# Altium PCB PCB_排针版本.PcbDoc
Units mil, origin at the board's own origin, x right, y up, seen from the top; angles counter-clockwise.
Board outline 984.25 x 1181.1 mil, 2 copper layers (Top Layer, Bottom Layer); 34 components, 17 nets, 99 pads, 55 vias.
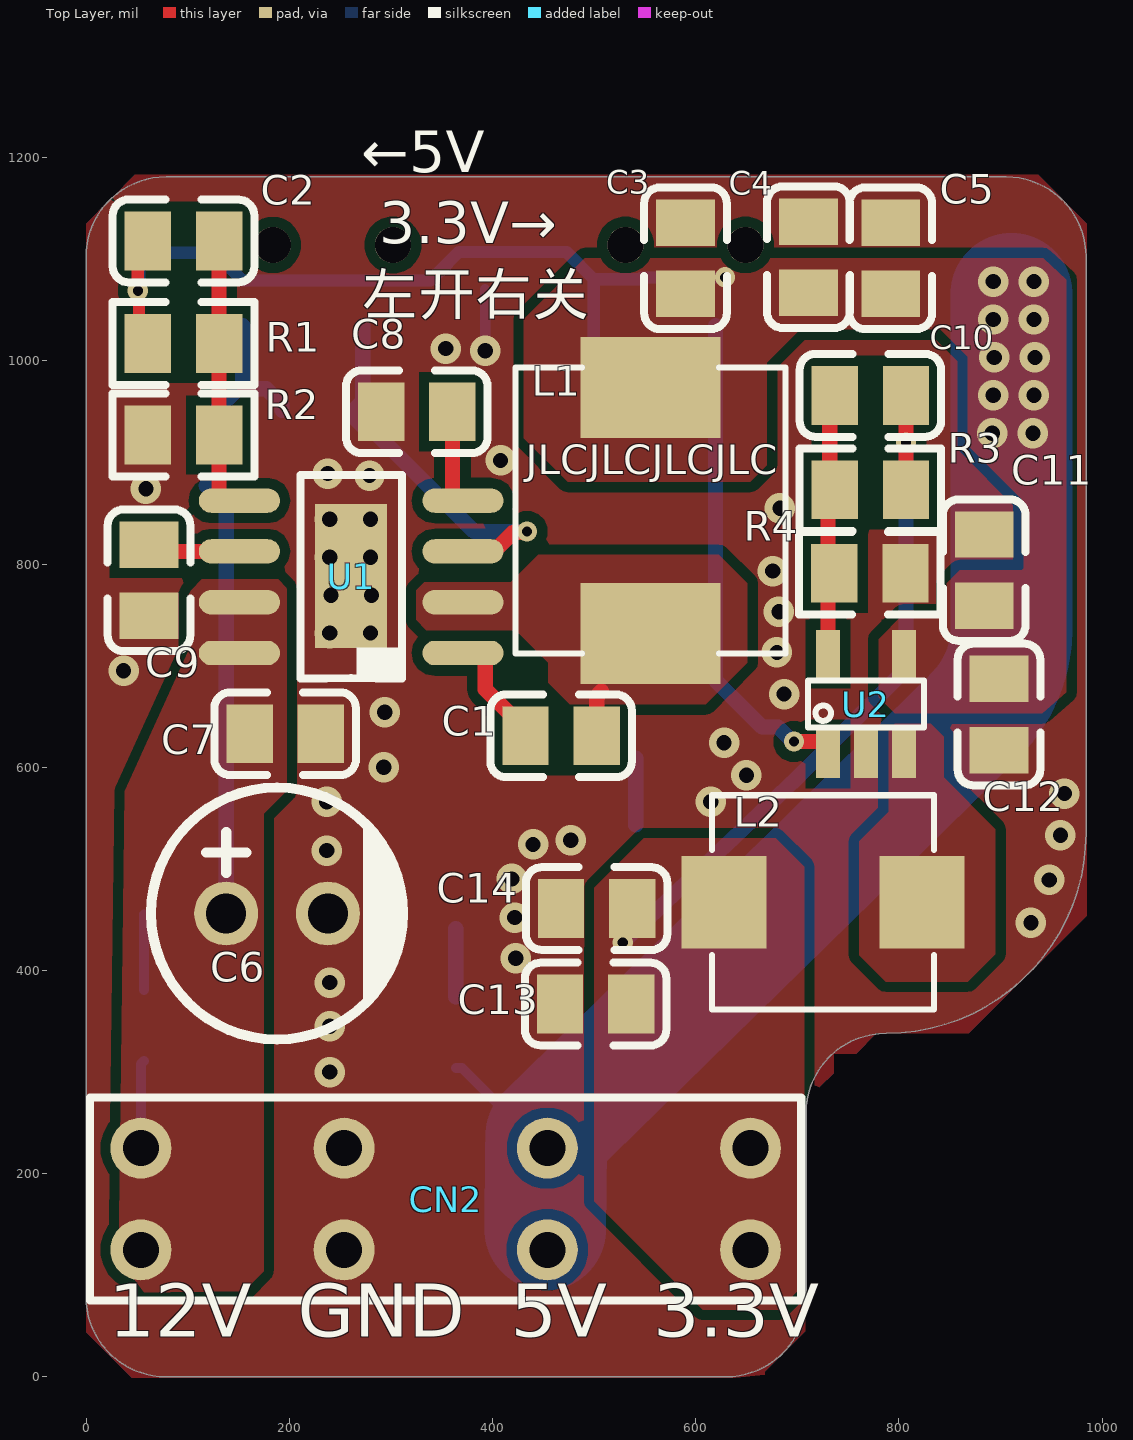
[diagram p0: Top Layer view]
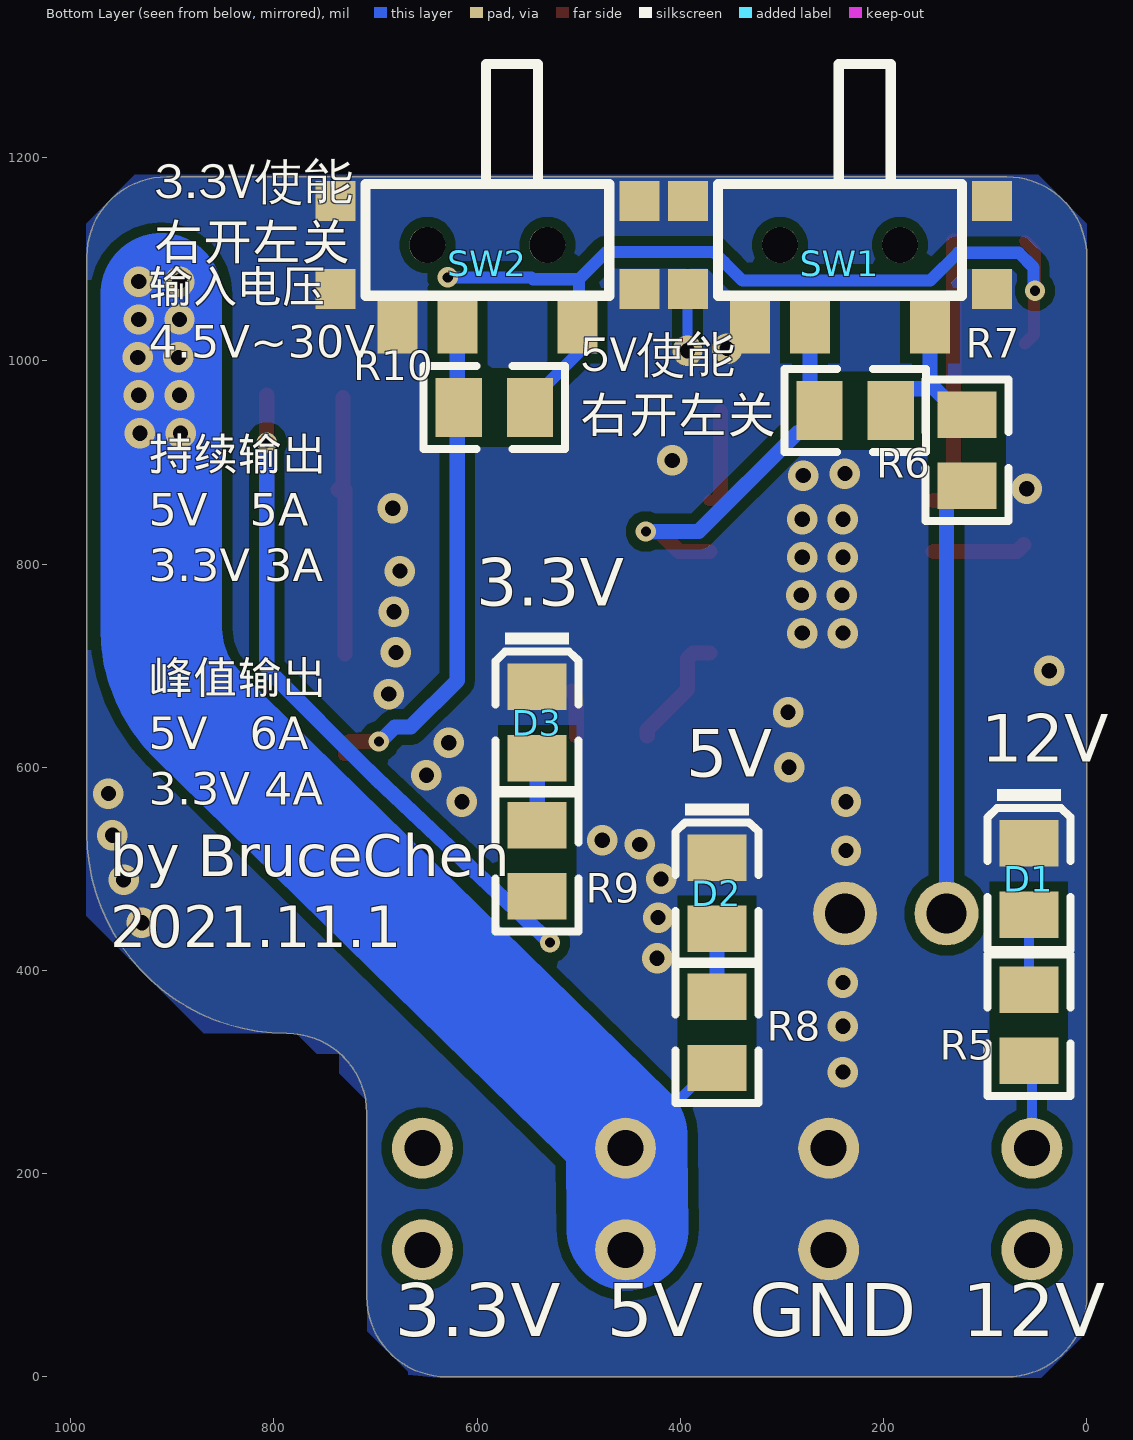
[diagram p1: Bottom Layer view, seen from below]
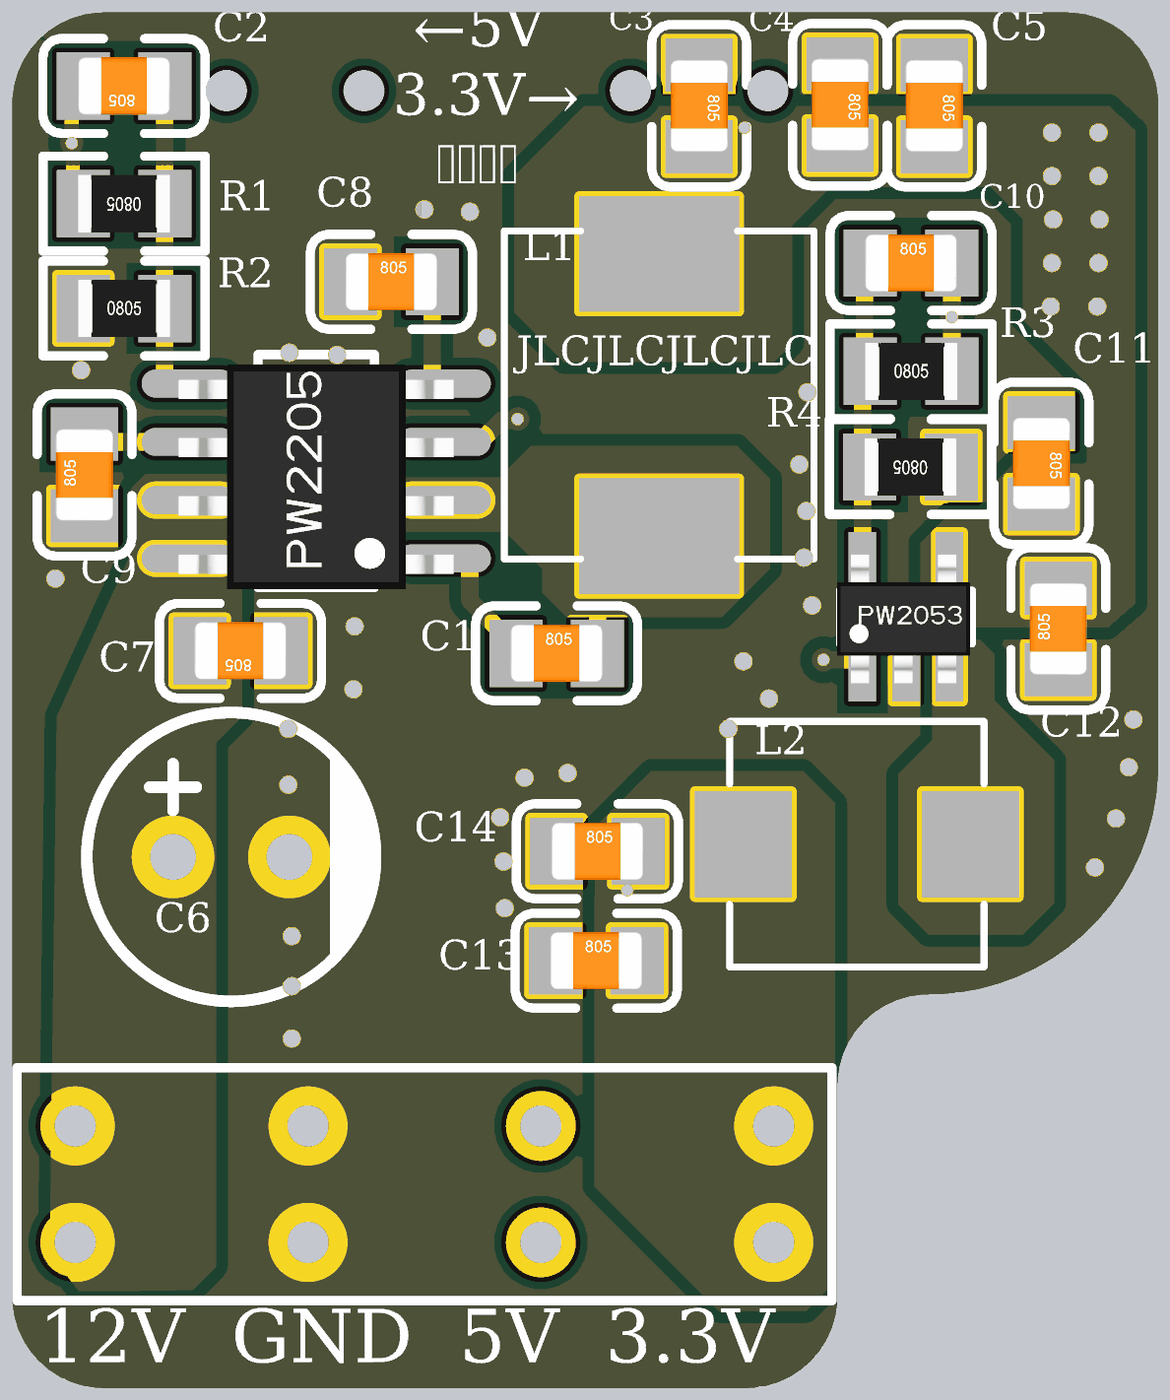
[diagram p2: 3D render of the assembled board from above, using the file's embedded part models]
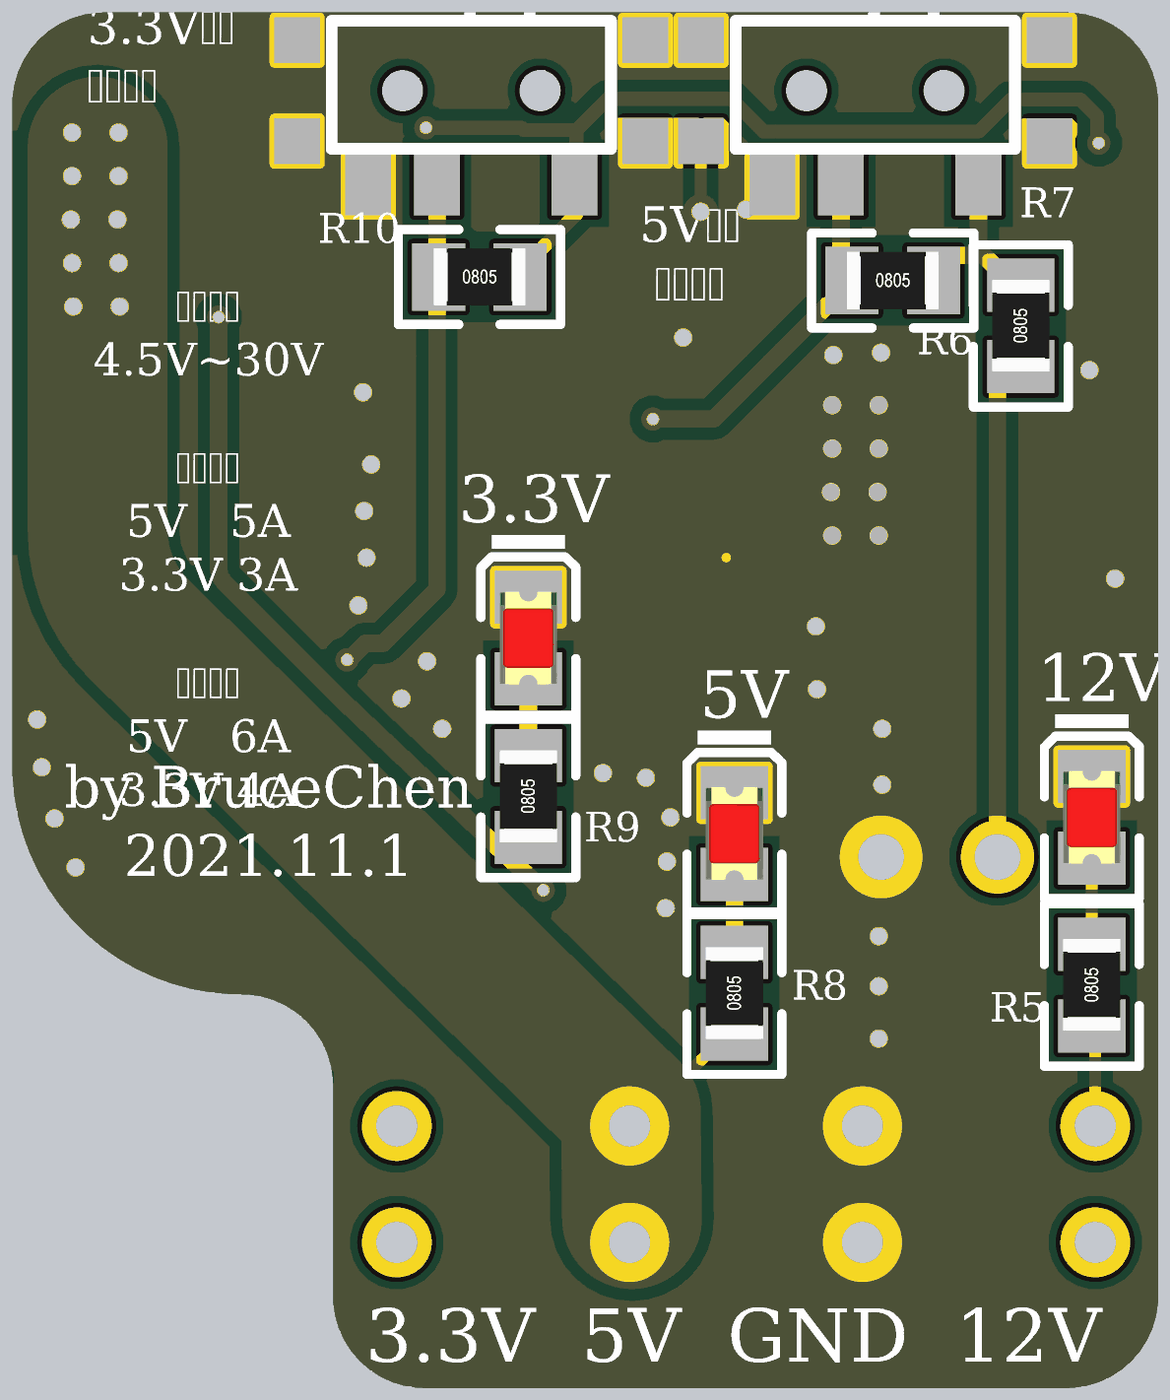
[diagram p3: 3D render of the assembled board from below, using the file's embedded part models]

## Layer stack, top to bottom
Top Solder: solder mask 0.4, Solder Resist, Dk 3.5
Top Layer: signal copper 1.4
Dielectric 1: dielectric 12.6, FR-4, Dk 4.8
Bottom Layer: signal copper 1.4
Bottom Solder: solder mask 0.4, Solder Resist, Dk 3.5

## Board outline
0,78.74 ccw(c78.74,78.74) 78.74,0 629.92,0 ccw(c629.92,78.74) 708.66,78.74 708.66,259.28 cw(c787.4,259.28) 787.4,338.02 787.4,338.03 ccw(c787.4,534.88) 984.25,534.88 984.25,1102.36 ccw(c905.51,1102.36) 905.51,1181.1 78.74,1181.1 ccw(c78.74,1102.36) 0,1102.36

## Design rules (kind name [scope] priority, off if disabled: settings)
Clearance [All] p1: gap=10 ignorepadtopadclearanceinfootprint=FALSE except(0: Arc-Hole Track-Hole SMDPad-Hole THPad-Hole Via-Hole Fill-Hole Poly-Hole Region-Hole Text-Hole)
HoleSize [All] p1: absolutevalues=TRUE maxlimit=99999 minlimit=10 maxpercent=80.000 minpercent=20.000
PlaneConnect [All] p1: planeconnectstyle=Direct reliefexpansion=20 reliefentries=4 reliefconductorwidth=10 reliefairgap=10
PolygonConnect [All] p1: connectstyle=Direct reliefconductorwidth=10 reliefentries=4 polygonreliefangle="90 Angle" airgapwidth=10
RoutingVias [All] p1: holewidth=28 width=50 viastyle="Through Hole" minholewidth=10 minwidth=15 maxholewidth=99999 maxwidth=99999
SolderMaskExpansion [All] p1: expansion=4 istentingtop=FALSE
Width [All] p1: maxlimit=99999 minlimit=6 preferedwidth=10
28 further rules are at their usual default settings.

## Components (designator, comment, footprint, x,y, rotation, side; value= is the part's Value field where it differs from the comment)
C1 "100nF 16V" 0805_C 467.55,630.87 r0 top
C2 "68pF 16V" 0805_C 95.92,1118 r180 top
C3 "22uF 50V" 0805_C 590,1100.96 r270 top
C4 "22uF 50V" 0805_C 711,1101.96 r270 top
C5 "100nF 5% 16V" 0805_C 792,1100.96 r270 top
C6 "100uF" "电容 6.3*8" 188,456 r0 top
C7 "1uF 50V" 0805_C 196,633 r180 top
C8 "10nF 16V" 0805_C 325.55,949.87 r0 top
C9 "1uF 16V" 0805_C 62,783.96 r90 top
C10 "22pF 10V" 0805_C 772,966 r0 top
C11 "22uF 10V" 0805_C 884,793.96 r270 top
C12 "0.1uF 10V" 0805_C 898.55,651.83 r90 top
C13 "22uF 10V" 0805_C 501.55,366.87 r0 top
C14 "22uF 10V" 0805_C 502.55,460.87 r0 top
CN2 "2.54排针" 2.54排针 54,225 r0 top
D1 "红灯 0805" 0805_LED_S1 57,489.96 r270 bottom
D2 "红灯 0805" 0805_LED_S1 364,476.04 r270 bottom
D3 "红灯 0805" 0805_LED_S1 541,643.96 r270 bottom
L1 "6.8uH" "电感 0650" 555.55,852.69 r270 top
L2 "6.8uH" "电感 0520" 725.44,467 r0 top
R1 "110KΩ ±1%" 0805_R 95.96,1017 r180 top
R2 "15KΩ ±1%" 0805_R 95.96,927 r0 top
R3 "45KΩ 1%" 0805_R 772.04,873 r0 top
R4 "10KΩ 1%" 0805_R 771.51,790.87 r180 top
R5 "20KΩ" 0805_R 57,345.96 r90 bottom
R6 "0Ω" 0805_R 228,951 r180 bottom
R7 "100KΩ" 0805_R 118,912 r90 bottom
R8 "10KΩ" 0805_R 364,338.96 r90 bottom
R9 "10KΩ" 0805_R 541,507.96 r90 bottom
R10 "0Ω" 0805_R 583.04,954 r180 bottom
SW1 "SK-3296S-01-L1" 拨动开关(侧) 242.94,1095.93 r0 bottom
SW2 "SK-3296S-01-L1" 拨动开关(侧) 590,1095.93 r0 bottom
U1 "PW2205" "PW2205 - SOP8" 376.02,707.41 r180 top
U2 "PW2053" "PW2053 - SOT23-6" 730.6,613.21 r90 top

## Footprints (in the part's own frame and the unit in brackets; to place one, negate y for a bottom-side part, rotate by r counter-clockwise, add the part's x,y. Pads: shape width x height; smd on the part's side, far side on the other; paste and mask are expansions set on the pad)
2.54排针 [mil]
  round 60 hole 35.43: 1(0,-100) 1(0,0) 2(200,0) 2(200,-100) 3(400,-100) 3(400,0) 4(600,-100) 4(600,0)
  silkscreen extent -50,-150 650,50
0805_C [mm]
  rect 1.16x1.47 smd: 1(-0.89,0) 2(0.89,0)
  silkscreen extent -1.77,-1.04 1.77,1.04, body extent -1,-0.62 1,0.63, height 0.77
0805_LED_S1 [mm]
  rect 1.16x1.47 smd: A(0.89,0) K(-0.89,0)
  silkscreen extent -2.25,-1.04 1.77,1.03, body extent -1.01,-0.63 1.01,0.62, height 1.1
0805_R [mm]
  rect 1.16x1.47 smd: 1(-0.89,0) 2(0.89,0)
  silkscreen extent -1.77,-1.04 1.77,1.03, body extent -1,-0.62 1,0.63, height 0.49
"PW2053 - SOT23-6" [mm]
  rect 1.2x0.6 smd: CE(-0.005,0.01) FB(2.495,0.01) GND(-0.005,-0.94) LX(-0.005,-1.89) VIN(2.495,-1.89)
  silkscreen extent 0.65,-2.39 1.83,0.51, body extent -0.2,-2.34 2.6,0.56, height 1.47
"PW2205 - SOP8" [mil]
  round 0 all layers, no hole: $$$1(5.02,-5.59)
  oval 80x24 smd: BS(5,-5) EN(5,-105) FB(225,-155) SS(5,-155) SVIN(225,-55) SW(5,-55) VCC(225,-105) VIN(225,-5)
  rect 70.87x141.73 smd: GND(115.02,-80.59)
  silkscreen extent 65,-180 165,20, body extent -3,-171 233,21, height 70
拨动开关(侧) [mm]
  rect 1x1 smd: 0(-3.8,-1.559) 0(-3.8,0.641) 0(3.8,-1.559) 0(3.8,0.641)
  rect 1x1.4 smd: 1(-2.25,1.559) 2(0.75,1.559) 3(2.25,1.559)
  round 0.9 hole 0.9 unplated: ""(-1.5,-0.459) ""(1.5,-0.459)
  silkscreen extent -3.05,-4.98 3.05,0.81
"电容 6.3*8" [mm]
  round 1.6 hole 1: 1(-1.27,0) 2(1.27,0)
  silkscreen extent -3.15,-3.15 3.17,3.15
"电感 0520" [mm]
  rect 2.124x2.32 smd: 1(2.478,0) 2(-2.478,0)
  silkscreen extent -2.78,-2.68 2.78,2.68
"电感 0650" [mm]
  rect 2.524x3.5 smd: 1(3.078,0) 2(-3.078,0)
  silkscreen extent -3.58,-3.38 3.58,3.38

## Part data
C1 C5: library part "0805 100nF(104) 10% 50V", "贴片电容", Package=0805, SuppliersPartNumber=C49678, ComponentLink1Description=供应商链接, ComponentLink1URL=http://www.szlcsc.com/product/details_50686.html, Supplier=LC
C2: library part "0805 68pF (680) 5% 50V", "贴片电容", Package=0805, SuppliersPartNumber=C1834, ComponentLink1Description=供应商链接, ComponentLink1URL=http://www.szlcsc.com/product/details_2186.html, Supplier=LC
C3 C4 C11 C13 C14: library part "0805 22uF (226) 20% 25V", "贴片电容", Package=0805, SuppliersPartNumber=C45783, ComponentLink1Description=供应商链接, ComponentLink1URL=http://www.szlcsc.com/product/details_46786.html, Supplier=LC
C6: library part "电容 6.3*8", BOM_JLCPCB Part Class="Extended Part", BOM_Manufacturer=AISHI, BOM_Manufacturer Part=SPZ1VM101E08000R, BOM_Supplier=LCSC, BOM_Supplier Part=C122240, nameAlias=Capacitance, spicePre=C, spiceSymbolName=SPZ1VM101E08000R
C7 C9: library part "0805 1uF (105) 10% 50V", "贴片电容", Package=0805, SuppliersPartNumber=C28323, ComponentLink1Description=供应商链接, ComponentLink1URL=http://www.szlcsc.com/product/details_29074.html, Supplier=LC
C8: library part "0805 10nF (103) 10% 50V", "贴片电容", Package=0805, SuppliersPartNumber=C1710, ComponentLink1Description=供应商链接, ComponentLink1URL=http://www.szlcsc.com/product/details_2062.html, Supplier=LC
C10 C12: library part "0603 10pF (100) 5% 50V", "贴片电容", Package=0603, SuppliersPartNumber=C1634, ComponentLink1Description=供应商链接, ComponentLink1URL=http://www.szlcsc.com/product/details_1986.html, Supplier=LC
D1 D2 D3: library part "0805 红灯", "发光二极管", Package=0805, SuppliersPartNumber=C2295, ComponentLink1Description=供应商链接, ComponentLink1URL=http://www.szlcsc.com/product/details_2668.html, Supplier=LC
L1 L2: library part "电感 6.8uH", BOM_Manufacturer="cjiang(Changjiang Microelectronics Tech)", BOM_Manufacturer Part=FXL0650-6R8-M, BOM_Supplier=LCSC, BOM_Supplier Part=C475530, Contributor=LCSC, nameAlias=Inductance, spicePre=L, spiceSymbolName=FXL0650-6R8-M
R1: library part "0805 110KΩ (1103) 1%", "贴片电阻", Package=0805, SuppliersPartNumber=C17422, ComponentLink1Description=供应商链接, ComponentLink1URL=http://www.szlcsc.com/product/details_18110.html, Supplier=LC
R2: library part "0805 15KΩ (1502) 1%", "贴片电阻", Package=0805, SuppliersPartNumber=C17475, ComponentLink1Description=供应商链接, ComponentLink1URL=http://www.szlcsc.com/product/details_18163.html, Supplier=LC
R3 R4: library part "0603 10KΩ (1002) 1%", "贴片电阻", Package=0603, SuppliersPartNumber=C25804, ComponentLink1Description=供应商链接, ComponentLink1URL=http://www.szlcsc.com/product/details_26547.html, Supplier=LC
R5: library part "0805 4.7KΩ (4701) 1%", "贴片电阻", Package=0805, SuppliersPartNumber=C17673, ComponentLink1Description=供应商链接, ComponentLink1URL=http://www.szlcsc.com/product/details_18361.html, Supplier=LC
R6 R10: library part "0805 0Ω (0R0) 1%", "贴片电阻", Package=0805, SuppliersPartNumber=C17477, ComponentLink1Description=供应商链接, ComponentLink1URL=http://www.szlcsc.com/product/details_18165.html, Supplier=LC
R7: library part "0805 100KΩ (1003) 1%", "贴片电阻", Package=0805, SuppliersPartNumber=C17407, ComponentLink1Description=供应商链接, ComponentLink1URL=http://www.szlcsc.com/product/details_18095.html, Supplier=LC
R8 R9: library part "0805 1KΩ (1001) 1%", "贴片电阻", Package=0805, SuppliersPartNumber=C17513, ComponentLink1Description=供应商链接, ComponentLink1URL=http://www.szlcsc.com/product/details_18201.html, Supplier=LC
SW1 SW2: library part 拨动开关(侧), BOM_JLCPCB Part Class="Extended Part", BOM_Manufacturer="XKB Enterprise", BOM_Manufacturer Part=SK-3296S-01-L1, BOM_Supplier=LCSC, BOM_Supplier Part=C319020, Contributor=LCSC, spicePre=S, spiceSymbolName=SK-3296S-01-L1

## Via types
v1: diameter 30, hole 15, Top Layer to Bottom Layer, tented both sides, 49 vias
v2: diameter 20, hole 10, Top Layer to Bottom Layer, tented both sides, 6 vias

## Nets (pads, with @x,y where several pads share a name; then routed paths per layer and width w, separated by ;. In a path a pad name is that pad's centre, name@x,y a point inside that pad or via, vN(x,y) a via of type N, cw(c..) or ccw(c..) an arc to the next point about the centre after c; other vN are vias at no path point)
3.3V: C10.2 C13.2 C14.2 CN2.4 L2.2 R3.2 R9.1 | length 702.8
  Top Layer w15: C10.2 v2(807.04,919.52) 807.04,873.04 R3.2
  Bottom Layer w15: v2(528.26,427.47) 698.98,588.6 699.64,589.25 707.47,597.08 ccw(c688.25,616.75) 707.73,597.34 802.65,692.33 ccw(c792.04,702.94) 807.04,702.78 807.04,702.86 v2(807.04,919.52)
5V: C2.2 C3.2 C4.2 C5.2 C11.2 C12.2 CN2.3 L1.2 R1.2 R8.1 R10.2 SW2.1 U2.VIN | length 2127
  Top Layer w12: R1.2 52,1025.92 52,1068 v2(51,1069) 51,1108.12 C2.2
  Bottom Layer w10: R8.1 370.1,303.92 449.02,225 452.81,225 CN2.3@454,225
  Bottom Layer w12: v2(51,1069) 52.53,1070.53 52.53,1091.89 67.02,1106.38 126.63,1106.38 154,1079 339,1079 356.87,1096.87 356.87,1097 366.24,1106.38 366.38,1106.38 367,1107 473,1107 499.72,1080.28 ; R10.2 548,960.1 499.72,1008.38 499.72,1080.28 ; v2(628.93,1082.11) 546.74,1082.11 544.92,1080.28 499.72,1080.28
  Bottom Layer w120: CN2.3@452,145 452.81,225 452.94,237.43 874.99,651 ccw(c791,736.71) 911,736.71 911,1066
  other v1: 892,928.67 932,928.67 893,966 933,966 894,1003.33 934,1003.33 893,1040.67 933,1040.67 893,1078 933,1078
12V: C6.1 C7.2 CN2.1 R5.1 R7.1 U1.SVIN U1.VIN | length 519.1
  Bottom Layer w10: CN2.1@54,225 54,307.92 R5.1
  Bottom Layer w15: R7.1 122.67,876.96 138,861.63 C6.1
EN: R6.1 SW1.2 U1.EN | length 382.4
  Top Layer w15: U1.EN 401.46,812.41 420.09,831.04 433.04,831.04 v2(434,832)
  Bottom Layer w15: SW1.2 272.47,960.43 R6.1 263.04,944.9 278.37,929.56 284.48,929.56 382.04,832 v2(434,832)
EN2: R10.1 SW2.2 U2.CE | length 494.4
  Top Layer w15: v2(696.75,625.25) 725.89,625.25 730.2,620.94 U2.CE
  Bottom Layer w15: SW2.2 619.53,954 619.53,685.47 665.5,639.5 681.14,639.5 695.39,625.25 v2(696.75,625.25)
GND: C3.1 C4.1 C5.1 C6.2 C7.1 C8.1 C9.1 C11.1 C12.1 C13.1 C14.1 CN2.2 D1.K D2.K D3.K R2.1 R4.1 SW1.0 SW1.3 SW2.0 SW2.3 U1.GND U2.GND | length 60.9
  Bottom Layer w10: SW1.0@392.55,1070.69 393,1070.24 v1(393,1010)
  other v1: 240,300 240,345 240,388 423,412 930,447 422,452 948,489 419,490 237,518 440,524 477,528 959,533 237,566 615,566 963,574 650,592 293,600 628,624 294,654 687,672 37,695 680,713 240,732 280,732 682,753 241,769.33 281,769.33 676,793 240,806.67 280,806.67 240,844 280,844 683,855 59,874 279,887 238,889 408,902 354,1012
NetC1_1: C1.1 U1.BS | length 116.7
  Top Layer w15: U1.BS 387.48,712.41 393.02,706.87 393.02,676.46 432.51,636.97 C1.1
NetC1_2: C1.2 L1.1 U1.SW | length 45.3
  Top Layer w15: C1.2 502.59,664.35 cw(c517.65,664.35) 507,675
NetC2_1: C2.1 R1.1 R2.2 U1.FB | length 273.2
  Top Layer w15: C2.1 130.96,866.57 135.12,862.41 U1.FB
NetC8_2: C8.2 U1.SS | length 94.6
  Top Layer w12: U1.SS@360.59,867.96 366.13,862.41 U1.SS
  Top Layer w15: U1.SS@360.59,867.96 C8.2
NetC9_2: C9.2 U1.VCC | length 91.8
  Top Layer w15: C9.2 68.59,812.41 U1.VCC
NetC10_1: C10.1 R3.1 R4.2 U2.FB | length 254.6
  Top Layer w15: U2.FB 730.2,790.87 R3.1@730.2,873 ; C10.1@732,964 732,878 R3.1
NetD1_A: D1.A R5.2 | length 73.9
  Bottom Layer w10: R5.2 D1.A
NetD2_A: D2.A R8.2 | length 67
  Bottom Layer w15: R8.2 D2.A
NetD3_A: D3.A R9.2 | length 65.9
  Bottom Layer w15: R9.2 D3.A
NetL2_1: L2.1 U2.LX
NetR6_2: R6.2 R7.2 SW1.1 | length 159.2
  Bottom Layer w15: R7.2 124.1,947.04 154.36,977.3 ; SW1.1 154.36,977.3 ; R6.2 192.96,957.1 177.63,972.44 159.22,972.44 154.36,977.3
pads on no net: SW1. SW2. U1.$$$1

## Polygon pours and split planes (outlines as drawn)
GND on Top Layer "GND_L01_P008" (solid, pour order 8): 639,-1 45,-1 0,44 0,1135 48,1183 937,1183 985,1135 985,454 869,338 778,338 758,318 736,318 736,299 708,271 708,45 668,5 668,2
3.3V on Top Layer "3.3V_L01_P001" (solid, pour order 1): 500,481 549,530 679,530 707,502 707,91 682,66 607,66 500,173
NetC1_2 on Top Layer "NETC1_2_L01_P002" (solid, pour order 2): 333,782 418,782 445,809 623,809 651,781 651,703 610,662 476,662 455,683 455,703 423,735 335,735 325,745 325,774
5V on Top Layer "5V_L01_P003" (solid, pour order 3): 431,1041 491,1101 942.03,1101 965,1079.74 965,673.74 941.34,653 796,653 780,669 780,726 804,750 839,750 847,756 847,781 860,794 921,794 923,796 923,862 868,917 868,1004 841,1031 703,1031 670,998 670,897 654,881 474,881 431,924
NetL2_1 on Top Layer "NETL2_1_L01_P004" (solid, pour order 4): 790,635.5 790,556 761,527 761,415 787,389 868,389 895,416 895,539 844,590 844,630 831,643 796,643
12V on Top Layer "12V_L01_P000" (solid, pour order 0): 83,83 57,83 32,116 38,576.5 101,715 101,772 114,785 189,785 197.5,776.5 197.5,576.5 175,554 175,104 155,84
GND on Bottom Layer "GND_L02_P009" (solid, pour order 9): 639,-1 45,-1 0,44 0,1135 48,1183 937,1183 985,1135 985,454 869,338 778,338 758,318 736,318 736,299 708,271 708,45 668,5 668,2

## Silkscreen, mask and mechanical layers (free items; w line width, h text height)
Top Overlay:
  text "←5V /  3.3V→ / 左开右关" at 270.7,1032 h70
  text "JLCJLCJLCJLC" at 433,878.28 h50
  text "12V  GND  5V  3.3V" at 22.54,22.08 h90
Bottom Overlay:
  text "3.3V使能 / 右开左关" at 918,1088 h60
  text "5V使能 / 右开左关" at 498.62,918 h60
  text "3.3V" at 601,743.52 h80
  text "12V" at 103.96,590 h80
  text "5V" at 394,575.52 h80
  text "输入电压 / 4.5V~30V /  / 持续输出 / 5V   5A / 3.3V 3A /  / 峰值输出 / 5V   6A / 3.3V 4A" at 923.35,552 h55
  text "by BruceChen / 2021.11.1" at 961.26,409 h70
  text "3.3V  5V  GND  12V" at 681,22.58 h90
Mechanical 1:
  the board outline again, w7.99